# Altium PCB H-00488.PcbDoc (part 8 of 9)
Units mm, origin at the board's own origin, x right, y up, seen from the top; angles counter-clockwise.
Board outline 141.5 x 129 mm, 4 copper layers (Top Layer, Ground Plane, Power Plane, Bottom Layer), stack 1.536 mm thick; 527 components, 572 nets, 2185 pads, 1060 vias.
Unrouted connection lines stored in the file: 97.
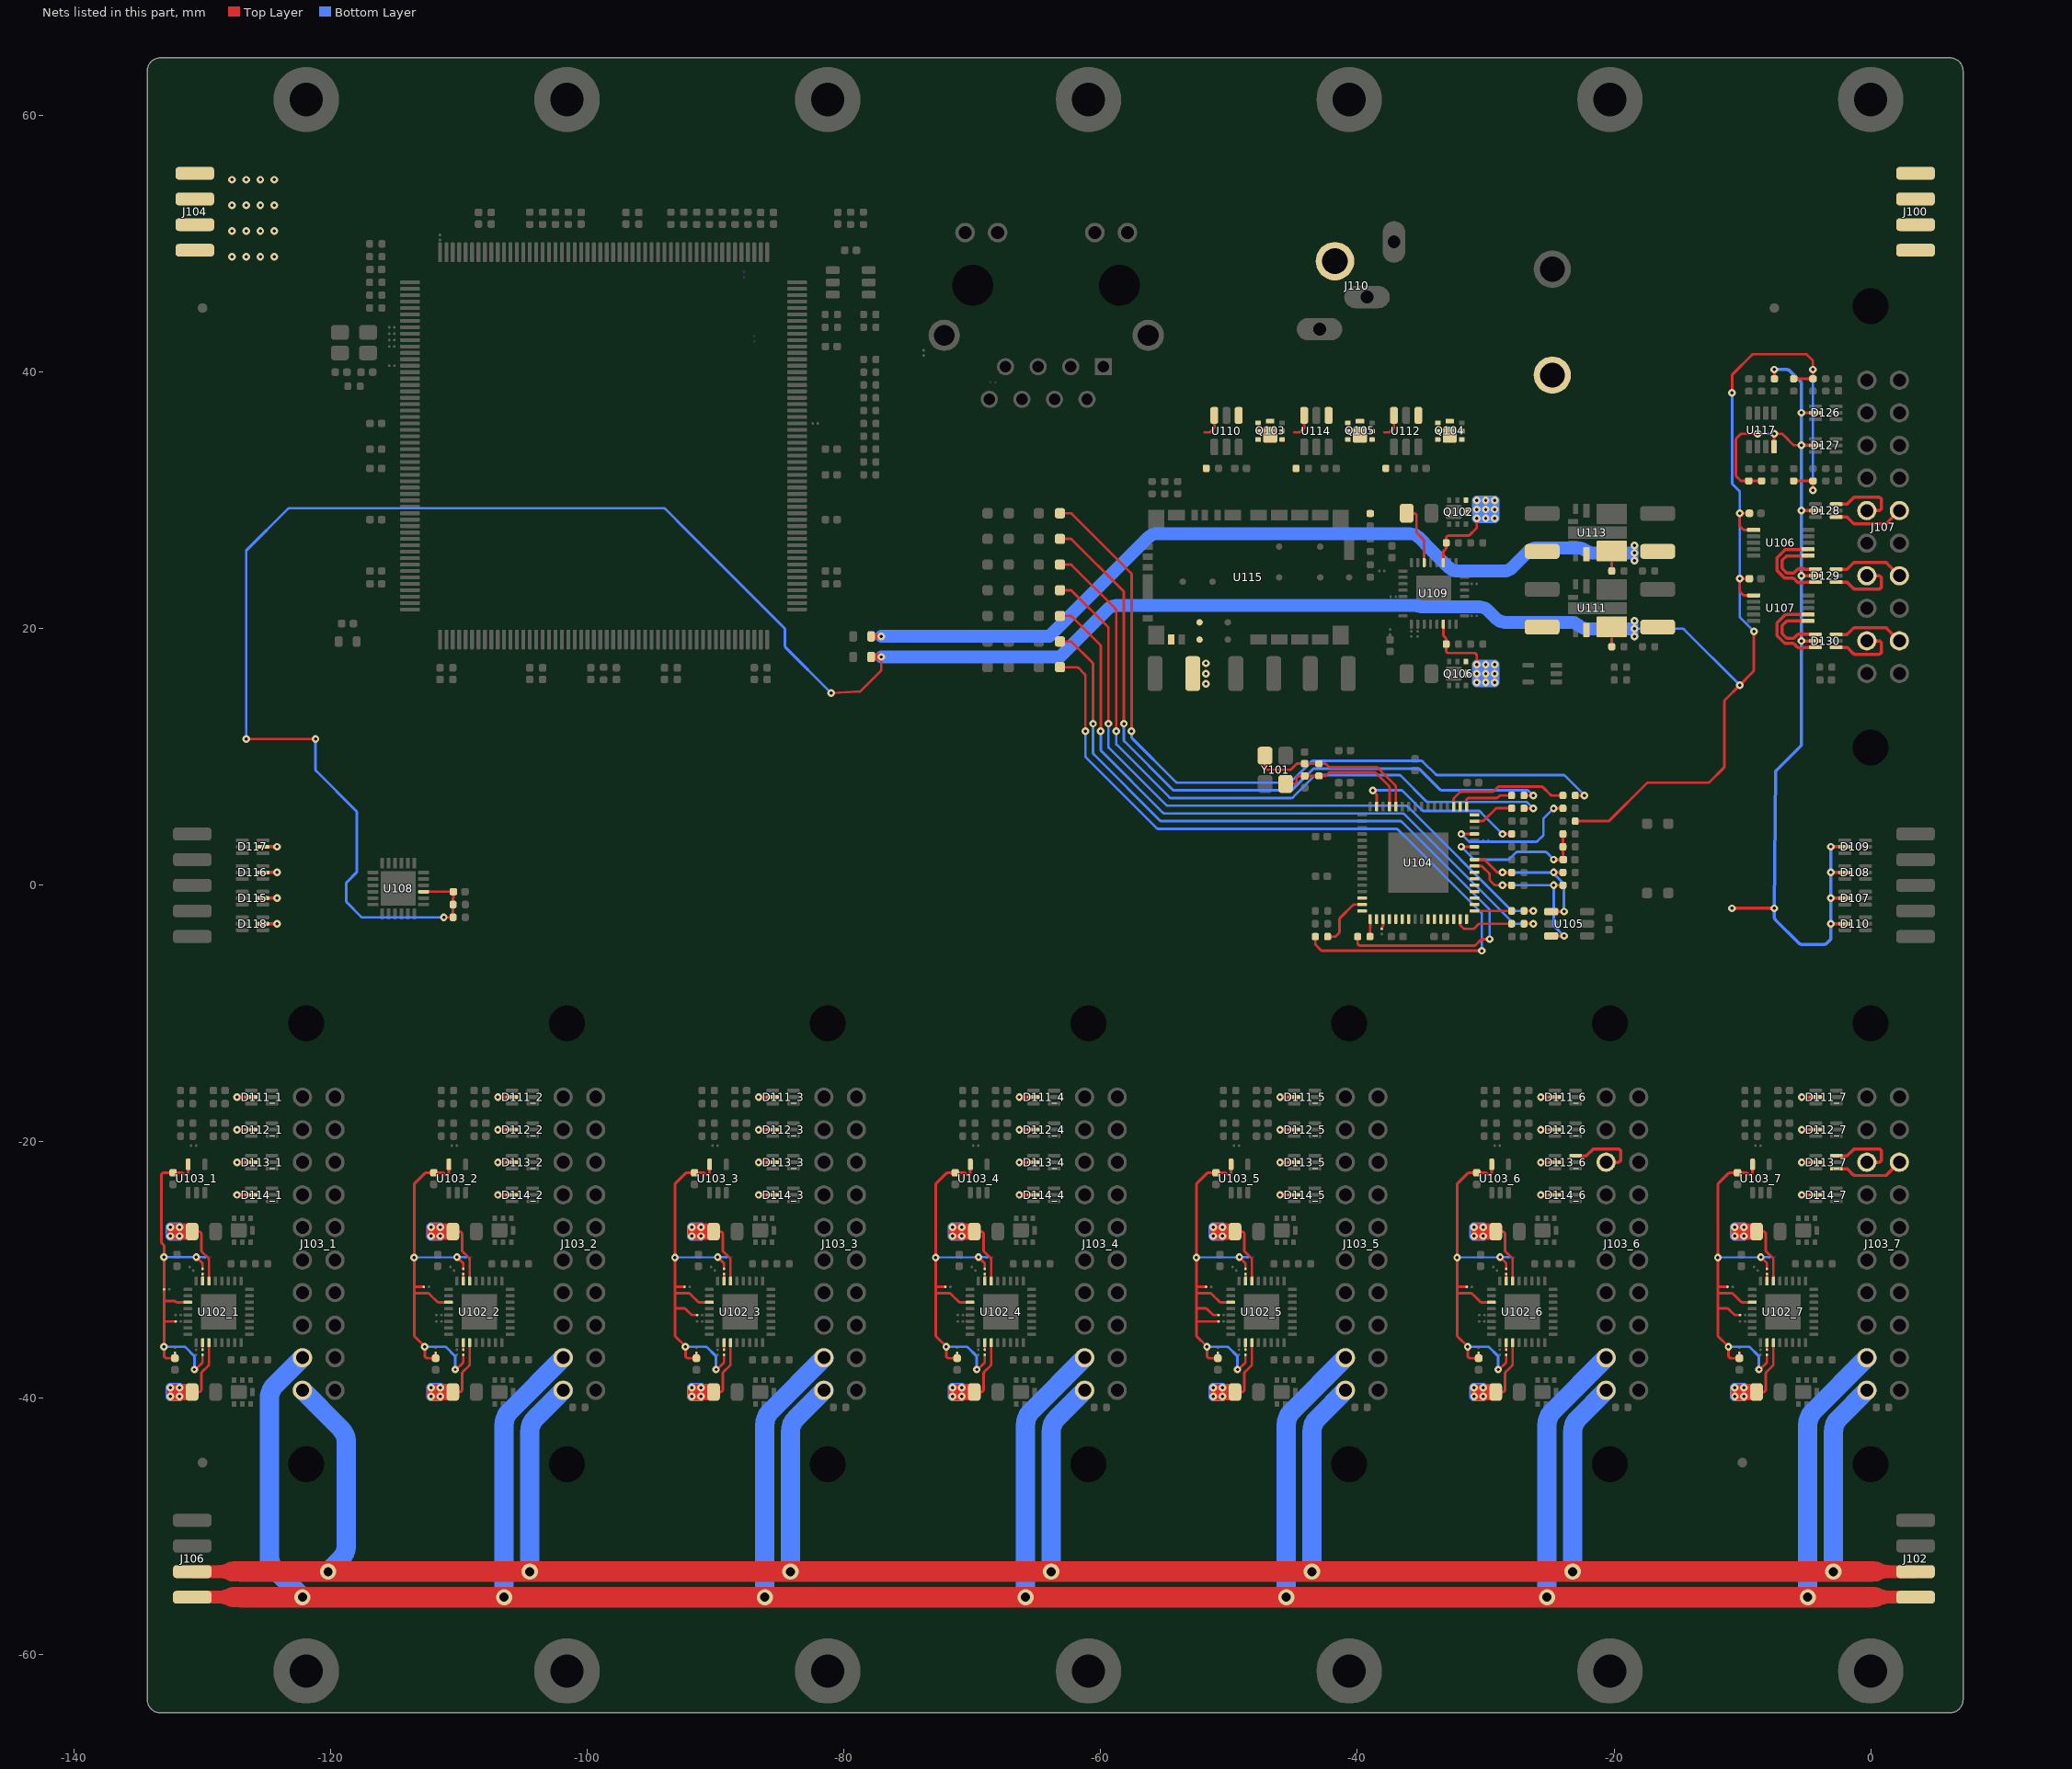
[diagram p10: the nets of this part, all layers, seen from the top]

## Via types
v1: diameter 0.6, hole 0.25, Top Layer to Bottom Layer, 934 vias
v2: diameter 0.7, hole 0.3, Top Layer to Bottom Layer, 112 vias
v3: diameter 1.27, hole 0.711, Top Layer to Bottom Layer, 14 vias

## Nets (pads, with @x,y where several pads share a name; then routed paths per layer and width w, separated by ;. In a path a pad name is that pad's centre, name@x,y a point inside that pad or via, vN(x,y) a via of type N, cw(c..) or ccw(c..) an arc to the next point about the centre after c; other vN are vias at no path point) (continued)
USB_D_6_P: D113_6.3 J103_6.B3 | length 5.7
  Top Layer w0.25: D113_6.3@-22.99,-21.09 -22.235,-21.09 ccw(c-22.235,-20.89) -22.093,-21.031 -21.683,-20.621 cw(c-21.506,-20.798) -21.506,-20.548 -19.721,-20.548 cw(c-19.721,-20.798) -19.471,-20.799 -19.471,-21.339 cw(c-19.721,-21.34) -19.721,-21.59 J103_6.B3@-20.62,-21.59
USB_D_7_N: D113_7.1 J103_7.A3 | length 5.5
  Top Layer w0.25: D113_7.1@-2.67,-22.09 -1.915,-22.09 cw(c-1.915,-22.29) -1.773,-22.149 -1.372,-22.55 ccw(c-1.195,-22.373) -1.195,-22.623 1.103,-22.623 ccw(c1.103,-22.373) 1.28,-22.55 J103_7.A3@2.24,-21.59
USB_D_7_P: D113_7.3 J103_7.B3 | length 5.7
  Top Layer w0.25: D113_7.3@-2.67,-21.09 -1.915,-21.09 ccw(c-1.915,-20.89) -1.773,-21.031 -1.363,-20.621 cw(c-1.186,-20.798) -1.186,-20.548 0.599,-20.548 cw(c0.599,-20.798) 0.849,-20.799 0.849,-21.339 cw(c0.599,-21.34) 0.599,-21.59 J103_7.B3@-0.3,-21.59
USB_HOST_1_N: D130.3 J107.A9 | length 5.5
  Top Layer w0.25: D130.3@-2.67,19.55 -1.915,19.55 ccw(c-1.915,19.75) -1.773,19.609 -1.372,20.01 cw(c-1.195,19.833) -1.195,20.083 1.103,20.083 cw(c1.103,19.833) 1.28,20.01 J107.A9@2.24,19.05
USB_HOST_1_P: D130.1 J107.B9 | length 5.7
  Top Layer w0.25: D130.1@-2.67,18.55 -1.915,18.55 cw(c-1.915,18.35) -1.773,18.491 -1.363,18.081 ccw(c-1.186,18.258) -1.186,18.008 0.599,18.008 ccw(c0.599,18.258) 0.849,18.259 0.849,18.799 ccw(c0.599,18.8) 0.599,19.05 J107.B9@-0.3,19.05
USB_HOST_1X_N: D130.4 U107.6 | length 5.7
  Top Layer w0.25: U107.6@-4.88,20.6 -6.447,20.6 ccw(c-6.447,20.35) -6.624,20.526 -6.827,20.324 ccw(c-6.65,20.147) -6.9,20.147 -6.9,19.724 ccw(c-6.65,19.724) -6.827,19.547 -6.603,19.323 ccw(c-6.426,19.5) -6.426,19.25 -6.086,19.25 ccw(c-6.086,19.5) -5.877,19.364 cw(c-5.395,19.05) -5.168,19.578 ccw(c-5.069,19.808) -5.068,19.558 D130.4@-4.252,19.558
USB_HOST_1X_P: D130.6 U107.7 | length 7.1
  Top Layer w0.25: U107.7@-4.88,21.1 -6.549,21.1 ccw(c-6.549,20.85) -6.726,21.027 -7.227,20.526 ccw(c-7.05,20.349) -7.3,20.349 -7.3,19.558 ccw(c-7.05,19.558) -7.227,19.382 -6.769,18.923 ccw(c-6.592,19.1) -6.592,18.85 -6.086,18.85 cw(c-6.086,18.6) -5.877,18.736 ccw(c-5.395,19.05) -5.172,18.52 ccw(c-5.367,18.986) -5.168,18.522 cw(c-5.069,18.292) -5.068,18.542 D130.6@-4.252,18.542
USB_HOST_2_N: D129.3 J107.A7 | length 5.5
  Top Layer w0.25: D129.3@-2.67,24.63 -1.915,24.63 ccw(c-1.915,24.83) -1.773,24.689 -1.372,25.09 cw(c-1.195,24.913) -1.195,25.163 1.103,25.163 cw(c1.103,24.913) 1.28,25.09 J107.A7@2.24,24.13
USB_HOST_2_P: D129.1 J107.B7 | length 5.7
  Top Layer w0.25: D129.1@-2.67,23.63 -1.915,23.63 cw(c-1.915,23.43) -1.773,23.571 -1.363,23.161 ccw(c-1.186,23.338) -1.186,23.088 0.599,23.088 ccw(c0.599,23.338) 0.849,23.339 0.849,23.879 ccw(c0.599,23.88) 0.599,24.13 J107.B7@-0.3,24.13
USB_HOST_2X_N: D129.4 U106.6 | length 5.7
  Top Layer w0.25: U106.6@-4.88,25.68 -6.447,25.68 ccw(c-6.447,25.43) -6.624,25.606 -6.827,25.404 ccw(c-6.65,25.227) -6.9,25.227 -6.9,24.804 ccw(c-6.65,24.804) -6.827,24.627 -6.603,24.403 ccw(c-6.426,24.58) -6.426,24.33 -6.086,24.33 ccw(c-6.086,24.58) -5.877,24.444 cw(c-5.395,24.13) -5.168,24.658 ccw(c-5.069,24.888) -5.068,24.638 D129.4@-4.252,24.638
USB_HOST_2X_P: D129.6 U106.7 | length 7.1
  Top Layer w0.25: U106.7@-4.88,26.18 -6.549,26.18 ccw(c-6.549,25.93) -6.726,26.107 -7.227,25.606 ccw(c-7.05,25.429) -7.3,25.429 -7.3,24.638 ccw(c-7.05,24.638) -7.227,24.462 -6.769,24.003 ccw(c-6.592,24.18) -6.592,23.93 -6.086,23.93 cw(c-6.086,23.68) -5.877,23.816 ccw(c-5.395,24.13) -5.172,23.6 ccw(c-5.367,24.066) -5.168,23.602 cw(c-5.069,23.372) -5.068,23.622 D129.6@-4.252,23.622
USB_HOST_3_N: D128.1 J107.A5 | length 5.5
  Top Layer w0.25: D128.1@-2.67,28.71 -1.915,28.71 cw(c-1.915,28.51) -1.773,28.651 -1.372,28.25 ccw(c-1.195,28.427) -1.195,28.177 1.103,28.177 ccw(c1.103,28.427) 1.28,28.25 J107.A5@2.24,29.21
USB_HOST_3_P: D128.3 J107.B5 | length 5.7
  Top Layer w0.25: D128.3@-2.67,29.71 -1.915,29.71 ccw(c-1.915,29.91) -1.773,29.769 -1.363,30.179 cw(c-1.186,30.002) -1.186,30.252 0.599,30.252 cw(c0.599,30.002) 0.849,30.001 0.849,29.461 cw(c0.599,29.46) 0.599,29.21 J107.B5@-0.3,29.21
USB_LED_A1: R147.2 U104.51 | length 9.8
  Top Layer w0.2: U104.51@-32.5,6.135 -32.5,6.695 cw(c-32.3,6.695) -32.441,6.836 -32.036,7.241 cw(c-31.895,7.1) -31.895,7.3 -29.483,7.3 ccw(c-29.483,7.5) -29.342,7.358 -29.059,7.641 cw(c-28.917,7.5) -28.917,7.7 -25.683,7.7 cw(c-25.683,7.5) -25.542,7.642 -24.958,7.058 ccw(c-24.817,7.2) -24.819,7 R147.2@-23.98,7
USB_LED_A2: R148.2 U104.49 | length 4.2
  Top Layer w0.2: U104.49@-31.5,6.135 -31.5,6.601 cw(c-31.3,6.6) -31.3,6.8 -29.183,6.8 ccw(c-29.183,7) -29.042,6.858 -28.958,6.942 cw(c-28.817,6.8) -28.817,7 -28.11,7 R148.2@-27.98,7
USB_LED_A3: R149.2 U104.47 | length 3.3
  Top Layer w0.2: U104.47@-30.865,5 -30.283,5 ccw(c-30.283,5.2) -30.141,5.059 -29.259,5.941 ; -29.258,5.942 cw(c-29.117,5.8) -29.117,6 R149.2@-28,6
USB_LED_A4: R152.2 U104.33 | length 2.9
  Top Layer w0.2: U104.33@-30.865,-2 -30.585,-2 R152.2@-27.98,-2
USB_LED_A5: R153.2 U104.31 | length 4.7
  Top Layer w0.2: U104.31@-32,-2.635 -32,-3.017 ccw(c-31.8,-3.017) -31.941,-3.159 -31.759,-3.341 ccw(c-31.617,-3.2) -31.617,-3.4 -31.013,-3.4 ccw(c-31.013,-3.2) -30.871,-3.342 -30.588,-3.059 cw(c-30.447,-3.2) -30.447,-3 R153.2@-27.98,-3
USB_LED_A6: R158.2 U104.17 | length 1.4
  Top Layer w0.2: R158.2@-39.02,-4 -39.02,-3.42 cw(c-38.82,-3.42) -39.017,-3.388 -39.003,-3.299 ccw(c-39.2,-3.266) -39,-3.267 -39,-2.915 U104.17@-39,-2.635
USB_LED_A7: R159.2 U104.15 | length 4.3
  Top Layer w0.2: R159.2@-42.32,-4 -41.783,-4 ccw(c-41.783,-3.8) -41.642,-3.942 -41.459,-3.759 ccw(c-41.6,-3.617) -41.4,-3.617 -41.4,-2.683 cw(c-41.2,-2.683) -41.341,-2.541 -40.358,-1.558 cw(c-40.217,-1.7) -40.218,-1.5 ; -40.217,-1.5 U104.15@-39.635,-1.5
USB_LED_R_A1: D119.C R147.1 | length 59.5
  Top Layer w0.2: D119.C@-63.175,29 -62.383,29 cw(c-62.383,28.8) -62.241,28.941 -57.66,24.36 cw(c-57.8,24.217) -57.6,24.217 v1(-57.6,12) ; R147.1@-23.02,7 v1(-22.3,7)
  Bottom Layer w0.2: v1(-57.6,12) -57.6,11.581 ccw(c-57.4,11.583) -57.543,11.443 -54.159,8.059 ccw(c-54.017,8.2) -54.017,8 -45.328,8 ccw(c-45.328,8.2) -45.187,8.058 -43.604,9.642 cw(c-43.463,9.5) -43.463,9.7 -35.04,9.7 cw(c-35.04,9.5) -34.898,9.641 -33.915,8.658 ccw(c-33.775,8.8) -33.776,8.6 -23.983,8.6 cw(c-23.983,8.4) -23.841,8.541 v1(-22.3,7)
USB_LED_R_A2: D120.C R148.1 | length 54
  Top Layer w0.2: D120.C@-63.175,27 -62.383,27 cw(c-62.383,26.8) -62.241,26.941 -58.261,22.961 -58.259,22.959 cw(c-58.4,22.817) -58.2,22.817 v1(-58.2,12.6) ; R148.1@-27.02,7 v1(-26.3,7)
  Bottom Layer w0.2: v1(-58.2,12.6) -58.2,11.334 ccw(c-58,11.334) -58.141,11.193 -54.408,7.46 ccw(c-54.267,7.601) -54.268,7.401 -45.208,7.4 ccw(c-45.208,7.6) -45.067,7.458 -43.484,9.042 cw(c-43.343,8.9) -43.343,9.1 -35.283,9.1 cw(c-35.283,8.9) -35.141,9.041 -33.561,7.461 ccw(c-33.421,7.603) -33.422,7.403 -26.786,7.403 cw(c-26.786,7.203) -26.645,7.345 v1(-26.3,7)
USB_LED_R_A3: D121.C R149.1 | length 52.9
  Top Layer w0.2: D121.C@-63,25 -62.383,25 cw(c-62.383,24.8) -62.24,24.94 -58.86,21.56 cw(c-59,21.417) -58.8,21.417 v1(-58.8,12) ; R149.1@-27.02,6 v1(-26.3,6)
  Bottom Layer w0.2: v1(-58.8,12) -58.8,11.086 ccw(c-58.6,11.086) -58.741,10.944 -54.656,6.859 ccw(c-54.515,7.001) -54.516,6.801 -45.153,6.8 ccw(c-45.153,7) -45.012,6.858 -43.329,8.542 cw(c-43.188,8.4) -43.188,8.6 -36.766,8.6 cw(c-36.766,8.4) -36.624,8.541 -34.641,6.558 ccw(c-34.501,6.7) -34.502,6.5 -26.883,6.5 cw(c-26.883,6.3) -26.742,6.442 v1(-26.3,6)
USB_LED_R_A4: D122.C R152.1 | length 53.4
  Top Layer w0.2: D122.C@-63.175,23 -62.383,23 cw(c-62.383,22.8) -62.24,22.94 -59.46,20.16 cw(c-59.6,20.017) -59.4,20.017 v1(-59.4,12.6) ; R152.1@-27.011,-2 v1(-26.3,-2)
  Bottom Layer w0.2: v1(-59.4,12.6) -59.4,10.837 ccw(c-59.2,10.837) -59.341,10.696 -54.904,6.259 ccw(c-54.763,6.4) -54.763,6.2 -39.1,6.2 -36.232,6.2 cw(c-36.232,6) -36.091,6.142 -28.007,-1.942 ccw(c-27.866,-1.8) -27.867,-2 v1(-26.3,-2)
USB_LED_R_A5: D123.C R153.1 | length 52.2
  Top Layer w0.2: D123.C@-63.1,21 -62.383,21 cw(c-62.383,20.8) -62.241,20.941 -60.061,18.761 -60.059,18.759 cw(c-60.2,18.617) -60,18.617 v1(-60,12) ; R153.1@-27.011,-3 v1(-26.3,-3)
  Bottom Layer w0.2: v1(-60,12) -60,10.589 ccw(c-59.8,10.589) -59.941,10.447 -55.153,5.659 ccw(c-55.011,5.8) -55.011,5.6 -39.1,5.6 -36.477,5.6 cw(c-36.477,5.4) -36.337,5.542 -34.844,4.049 -30.183,-0.612 -27.853,-2.942 ccw(c-27.712,-2.8) -27.713,-3 v1(-26.3,-3)
USB_LED_R_A6: D124.C R158.1 | length 59.6
  Top Layer w0.2: D124.C@-63.2,19 -62.383,19 cw(c-62.383,18.8) -62.241,18.941 -60.659,17.359 cw(c-60.8,17.217) -60.6,17.218 ; v1(-60.6,12.6) -60.6,17.217 ; R158.1@-39.98,-4 -39.98,-4.5 ccw(c-39.78,-4.5) -39.78,-4.7 -30.9,-4.7 ccw(c-30.9,-4.5) -30.759,-4.642 -30.376,-4.258 cw(c-30.234,-4.4) -30.234,-4.2 v1(-29.7,-4.2)
  Bottom Layer w0.2: v1(-60.6,12.6) -60.6,10.34 ccw(c-60.4,10.34) -60.541,10.199 -55.401,5.059 ccw(c-55.26,5.2) -55.26,5 -39.1,5 -36.677,5 cw(c-36.677,4.8) -36.535,4.941 -36.418,4.824 -29.759,-1.835 cw(c-29.9,-1.977) -29.7,-1.977 v1(-29.7,-4.2)
USB_LED_R_A7: D125.C R159.1 | length 61.2
  Top Layer w0.2: D125.C@-63.175,17 -61.904,17 cw(c-61.904,16.75) -61.726,16.926 -61.273,16.473 cw(c-61.45,16.296) -61.2,16.296 v1(-61.2,12) ; R159.1@-43.28,-4 -43.28,-4.539 ccw(c-43.08,-4.537) -43.222,-4.678 -42.858,-5.042 ccw(c-42.717,-4.9) -42.719,-5.1 v1(-30.3,-5.1)
  Bottom Layer w0.2: v1(-61.2,12) -61.2,10.092 ccw(c-61,10.092) -61.141,9.95 -55.65,4.459 ccw(c-55.508,4.6) -55.508,4.4 -39.1,4.4 -36.977,4.4 cw(c-36.977,4.2) -36.837,4.342 -35.697,3.202 -30.359,-2.135 cw(c-30.5,-2.277) -30.3,-2.277 v1(-30.3,-5.1)
USB_LEDB1: U104.50
USB_LEDB2: U104.48
USB_LEDB3: U104.34
USB_LEDB4: U104.32
USB_LEDB5: U104.18
USB_LEDB6: U104.16
USB_LEDB7: U104.14
USB_OSC1: U104.28
USB_OSC2: U104.27
USB_OSC3: U104.22
USB_OSC4: U104.21
USB_OSC5: U104.35
USB_OSC6: U104.38
USB_OSC7: U104.37
USB_PWR1: U104.29
USB_PWR2: U104.26
USB_PWR3: U104.23
USB_PWR4: U104.20
USB_PWR5: U104.30
USB_PWR6: U104.39
USB_PWR7: U104.36
USB_RBIAS: R166.2 U104.63 | length 13.6
  Top Layer w0.2: v1(-38.8,7.4) -38.601,7.201 -38.558,7.158 cw(c-38.7,7.017) -38.5,7.017 U104.63@-38.5,6.135 ; v1(-28.7,4) R166.2@-27.98,4
  Bottom Layer w0.2: v1(-38.8,7.4) -36.595,7.4 cw(c-36.595,7.2) -36.453,7.341 -34.97,5.858 ccw(c-34.829,6) -34.831,5.8 -30.583,5.8 cw(c-30.583,5.6) -30.442,5.742 -30.135,5.435 v1(-28.7,4) v1(-28.7,4)
USB_RESET: C154.1 R161.2 R164.2 U104.43 | length 11.9
  Top Layer w0.2: v1(-31.9,3) U104.43@-30.865,3 ; v1(-24.7,2) C154.1@-23.955,2 -23.955,2.383 ccw(c-24.155,2.383) -23.959,2.421 -23.976,2.514 cw(c-23.78,2.552) -23.98,2.551 -23.98,2.85 R164.2@-23.98,3 R161.2@-23.98,4
  Bottom Layer w0.2: v1(-31.9,3) -30.958,2.058 ccw(c-30.817,2.2) -30.819,2 -28.283,2 ccw(c-28.283,2.2) -28.142,2.058 -27.659,2.541 cw(c-27.517,2.4) -27.517,2.6 -25.364,2.6 cw(c-25.364,2.4) -25.22,2.539 v1(-24.7,2)
USB_SCL: R156.2 R162.2 U104.41 U105.1 | length 12.4
  Top Layer w0.2: U104.41@-30.865,2 -30.183,2 cw(c-30.183,1.8) -30.041,1.941 -29.771,1.671 -29.158,1.058 ccw(c-29.017,1.2) -29.019,1 v1(-28.7,1) R156.2@-27.989,1 ; U105.1@-24.9,-2.05 -23.95,-2.05 v1@-23.9,-2.1 ; v1(-24.7,1) R162.2@-24,1
  Bottom Layer w0.2: v1(-28.7,1) v1(-24.7,1) -24.7,0.983 ccw(c-24.5,0.983) -24.642,0.842 -23.958,0.158 cw(c-24.1,0.017) -23.9,0.018 v1(-23.9,-2.05)
USB_SDA: R157.2 R163.1 U104.40 U105.3 | length 13.7
  Top Layer w0.2: U104.40@-30.865,1.5 -30.383,1.5 cw(c-30.383,1.3) -30.242,1.442 -30.164,1.364 -29.759,0.959 cw(c-29.9,0.817) -29.7,0.817 -29.7,0.481 ccw(c-29.5,0.483) -29.642,0.342 -29.358,0.057 ccw(c-29.217,0.2) -29.219,0 v1(-28.7,0) -28.11,0 R157.2@-27.98,0 ; U105.3@-24.9,-3.95 v1@-23.95,-3.95 ; v1(-24.7,0) R163.1@-23.98,0
  Bottom Layer w0.2: v1(-28.7,0) v1(-24.7,0) -24.7,-3.067 ccw(c-24.5,-3.067) -24.642,-3.208 v1(-23.9,-3.95)
USB_SUSP: R160.2 U104.45 | length 11
  Top Layer w0.2: v1(-31.9,4) U104.45@-30.865,4 ; v1(-24.7,6) R160.2@-23.989,6
  Bottom Layer w0.2: v1(-31.9,4) -31.3,3.4 -26.083,3.4 ccw(c-26.083,3.6) -25.942,3.458 -25.559,3.841 ccw(c-25.7,3.983) -25.5,3.983 -25.5,5.117 cw(c-25.3,5.117) -25.441,5.259 v1(-24.7,6)
USB_TEST: NT128.1 U104.19 | length 0.8
  Top Layer w0.2: NT128.1@-38.1,-3.4 -38.1,-3.368 cw(c-37.9,-3.368) -38.057,-3.245 -38.043,-3.226 ccw(c-38.2,-3.103) -38,-3.103 U104.19@-38,-2.6
USB_XTAL1: C155.1 R165.1 U104.61 Y101.3 | length 10.7
  Top Layer w0.2: Y101.3@-45.6,7.9 -44.941,7.9 ccw(c-44.941,8.1) -44.741,8.1 -44.741,8.32 cw(c-44.541,8.32) -44.541,8.52 C155.1@-44.103,8.52 R165.1@-43,8.52 -42.563,8.52 ccw(c-42.563,8.72) -42.422,8.578 -42.259,8.741 cw(c-42.117,8.6) -42.117,8.8 -38.683,8.8 cw(c-38.683,8.6) -38.541,8.741 -37.559,7.759 cw(c-37.7,7.617) -37.5,7.618 ; U104.61@-37.5,6.135 -37.5,7.617
USB_XTAL2: C156.1 R165.2 U104.60 Y101.1 | length 13.6
  Top Layer w0.2: Y101.1@-47.2,10.1 -47.2,9.647 -47.2,9.283 ccw(c-47,9.283) -47.142,9.142 -47.058,9.058 ccw(c-46.917,9.2) -46.917,9 -45.283,9 ccw(c-45.283,9.2) -45.142,9.058 -44.778,9.422 cw(c-44.637,9.28) -44.637,9.48 C156.1@-44.11,9.48 R165.2@-43,9.48 -42.563,9.48 cw(c-42.563,9.28) -42.421,9.421 -42.259,9.259 ccw(c-42.117,9.4) -42.117,9.2 -38.533,9.2 cw(c-38.533,9) -38.391,9.141 -37.059,7.809 cw(c-37.2,7.667) -37,7.667 U104.60@-37,6.135
UV1_1: NT118_1.2 U102_1.31 | length 0.5
  Top Layer w0.2: U102_1.31@-130,-30.85 NT118_1.2@-130,-30.3
UV1_2: NT118_2.2 U102_2.31 | length 0.5
  Top Layer w0.2: U102_2.31@-109.68,-30.85 NT118_2.2@-109.68,-30.3
UV1_3: NT118_3.2 U102_3.31 | length 0.5
  Top Layer w0.2: U102_3.31@-89.36,-30.85 NT118_3.2@-89.36,-30.3
UV1_4: NT118_4.2 U102_4.31 | length 0.5
  Top Layer w0.2: U102_4.31@-69.04,-30.85 NT118_4.2@-69.04,-30.3
UV1_5: NT118_5.2 U102_5.31 | length 0.5
  Top Layer w0.2: U102_5.31@-48.72,-30.85 NT118_5.2@-48.72,-30.3
UV1_6: NT118_6.2 U102_6.31 | length 0.5
  Top Layer w0.2: U102_6.31@-28.4,-30.85 NT118_6.2@-28.4,-30.3
UV1_7: NT118_7.2 U102_7.31 | length 0.5
  Top Layer w0.2: U102_7.31@-8.08,-30.85 NT118_7.2@-8.08,-30.3
UV2_1: NT120_1.2 U102_1.10 | length 0.6
  Top Layer w0.2: NT120_1.2@-130,-36.2 U102_1.10@-130,-35.654 U102_1.10@-129.996,-35.65
UV2_2: NT120_2.2 U102_2.10 | length 0.6
  Top Layer w0.2: NT120_2.2@-109.68,-36.2 U102_2.10@-109.68,-35.654 U102_2.10@-109.676,-35.65
UV2_3: NT120_3.2 U102_3.10 | length 0.6
  Top Layer w0.2: NT120_3.2@-89.36,-36.2 U102_3.10@-89.36,-35.654 U102_3.10@-89.356,-35.65
UV2_4: NT120_4.2 U102_4.10 | length 0.6
  Top Layer w0.2: NT120_4.2@-69.04,-36.2 U102_4.10@-69.04,-35.654 U102_4.10@-69.036,-35.65
UV2_5: NT120_5.2 U102_5.10 | length 0.6
  Top Layer w0.2: NT120_5.2@-48.72,-36.2 U102_5.10@-48.72,-35.654 U102_5.10@-48.716,-35.65
UV2_6: NT120_6.2 U102_6.10 | length 0.6
  Top Layer w0.2: NT120_6.2@-28.4,-36.2 U102_6.10@-28.4,-35.654 U102_6.10@-28.396,-35.65
UV2_7: NT120_7.2 U102_7.10 | length 0.6
  Top Layer w0.2: NT120_7.2@-8.08,-36.2 U102_7.10@-8.08,-35.654 U102_7.10@-8.076,-35.65
V_2P1: C168.1 L101.1 R186.1 U113.3 | length 66.2
  Top Layer w0.2: R186.1@-20.18,24.5 -20.18,25.137
  Top Layer w0.4: L101.1@-77.9,19.4 v1(-77.1,19.4)
  Bottom Layer w0.6: v1(-18.4,25.3) v1(-18.4,25.9) v1(-18.4,26.5)
  Bottom Layer w1: v1(-77.1,19.4) -64,19.4 -56.293,27.107 cw(c-55.586,26.4) -55.586,27.4 -35.914,27.4 cw(c-35.914,26.4) -35.206,27.106 -34.249,26.149 -33.148,25.048 -32.891,24.791 ccw(c-32.186,25.5) -32.189,24.5 -28.614,24.5 ccw(c-28.614,25.5) -27.908,24.792 -26.692,26.008 cw(c-25.986,25.3) -25.986,26.3 -22.816,26.3 cw(c-22.816,25.3) -22.316,26.166 -22.088,26.034 ccw(c-21.588,26.9) -21.588,25.9 -18.7,25.9
V_3P3: C159.1 C160.1 C161.1 C166.1 L100.1 R146.1 R167.2 R168.2 R169.2 R170.2 R173.2 R174.2 R182.1 U106.1 U107.1 U108.21 U111.3 | length 253
  Top Layer w0.2: v1(-126.6,11.4) v1@-121.3,11.4 ; U108.21@-112.775,-0.5 C161.1@-110.455,-0.5 -110.455,-0.904 cw(c-110.655,-0.903) -110.458,-0.939 -110.477,-1.043 ccw(c-110.28,-1.078) -110.48,-1.077 R173.2@-110.48,-1.5 R174.2@-110.48,-2.5 v1(-111.2,-2.5) ; v1(-81,14.98) -78.728,15.114 -77.158,16.684 ccw(c-77.3,16.825) -77.1,16.825 v1(-77.1,17.8) ; R146.1@-23.02,5 -20.483,5 ccw(c-20.483,5.2) -20.342,5.058 -17.459,7.941 ; R182.1@-20.18,18.6 -20.18,19.237 ; -17.458,7.942 cw(c-17.317,7.8) -17.317,8 -12.683,8 ccw(c-12.683,8.2) -12.542,8.058 -11.458,9.142 ccw(c-11.6,9.283) -11.4,9.283 -11.4,14.317 cw(c-11.2,14.317) -11.342,14.458 v1(-10.2,15.6) -9.158,16.642 ccw(c-9.3,16.783) -9.1,16.783 v1(-9.1,19.8) ; v1(-10.8,38.4) -10.8,39.718 cw(c-10.6,39.717) -10.742,39.858 -9.258,41.342 cw(c-9.117,41.2) -9.118,41.4 -5.083,41.4 cw(c-5.083,41.2) -4.942,41.342 -4.558,40.958 cw(c-4.7,40.817) -4.5,40.818 v1(-4.5,40.2) -4.5,39.5 -4.52,39.48 R167.2@-6,39.48 ; v1(-10.2,23.9) -10.2,22.983 ccw(c-10,22.983) -10.141,22.841 -9.958,22.658 ccw(c-9.817,22.8) -9.818,22.6 U107.1@-9.12,22.6 ; v1(-10.2,23.9) C159.1@-9.455,23.9 ; v1(-10.2,29) -10.2,28.083 ccw(c-10,28.083) -10.141,27.941 -9.958,27.758 ccw(c-9.817,27.9) -9.818,27.7 U106.1@-9.12,27.7 ; v1(-10.2,29) C160.1@-9.455,29 ; R168.2@-6,31.52 R170.2@-4.5,31.52 v1(-4.5,30.8)
  Top Layer w0.6: L100.1@-77.9,17.8 v1(-77.1,17.8)
  Bottom Layer w0.2: v1(-126.6,11.4) -126.6,26.1 -123.359,29.341 cw(c-123.217,29.2) -123.217,29.4 -94.083,29.4 cw(c-94.083,29.2) -93.941,29.341 -93.902,29.302 -92.263,27.663 -84.676,20.076 cw(c-84.817,19.934) -84.617,19.934 -84.617,18.68 ccw(c-84.417,18.68) -84.559,18.538 v1(-81,14.98) ; v1(-121.2,11.4) -121.2,9.042 ccw(c-121,9.043) -121.141,8.902 -118.028,5.788 cw(c-118.169,5.646) -117.969,5.646 -117.969,1.114 cw(c-118.169,1.114) -118.028,0.972 -118.741,0.259 ccw(c-118.6,0.117) -118.8,0.117 -118.8,-1.217 ccw(c-118.6,-1.217) -118.742,-1.358 -117.659,-2.441 ccw(c-117.517,-2.3) -117.517,-2.5 v1(-111.2,-2.5) ; v1@-18.3,20 -14.683,20 cw(c-14.683,19.8) -14.541,19.941 v1@-10.201,15.601 ; v1(-10.8,38.4) -10.8,31.381 ccw(c-10.6,31.383) -10.742,31.242 -10.259,30.759 cw(c-10.4,30.617) -10.2,30.617 v1@-10.2,29.101 ; v1@-10.2,23.997 v1(-10.2,23.9) -10.2,20.983 ccw(c-10,20.983) -10.141,20.841 v1(-9.1,19.8) ; v1@-10.2,24 v1(-10.2,29) v1@-10.2,29.1 ; v1(-4.5,30.8) v1(-4.5,40.2)
  Bottom Layer w0.6: v1(-18.4,19.4) v1(-18.4,20) v1(-18.4,20.6)
  Bottom Layer w1: v1(-77.1,17.8) -63.2,17.8 -59.493,21.507 cw(c-58.786,20.8) -58.786,21.8 -35.483,21.8 cw(c-35.485,20.8) -35.174,21.75 -35.173,21.75 ccw(c-34.861,22.7) -34.863,21.7 -30.514,21.7 cw(c-30.514,20.7) -29.809,21.409 -29.191,20.791 ccw(c-28.486,21.5) -28.488,20.5 -23.414,20.5 cw(c-23.414,19.5) -22.798,20.287 -22.702,20.213 ccw(c-22.086,21) -22.086,20 -18.735,20
V_5P0: D107.5 D108.5 D109.5 D110.5 D111_1.5 D111_2.5 D111_3.5 D111_4.5 D111_5.5 D111_6.5 D111_7.5 D112_1.5 D112_2.5 D112_3.5 D112_4.5 D112_5.5 D112_6.5 D112_7.5 D113_1.5 D113_2.5 D113_3.5 D113_4.5 D113_5.5 D113_6.5 D113_7.5 D114_1.5 D114_2.5 D114_3.5 D114_4.5 D114_5.5 D114_6.5 D114_7.5 D115.5 D116.5 D117.5 D118.5 D126.5 D127.5 D128.5 D129.5 D130.5 Q106.4 Q106.8 R139_1.2 R139_2.2 R139_3.2 R139_4.2 R139_5.2 R139_6.2 R139_7.2 R189.1 R195.2 R198.2 R199.2 U102_1.30 U102_2.30 U102_3.30 U102_4.30 U102_5.30 U102_6.30 U102_7.30 U109.14 U117.8 | length 203.6
  Top Layer w0.2: R139_1.2@-130.815,-27 -130.294,-27 cw(c-130.294,-27.2) -130.094,-27.2 -130.094,-28.424 ; -130.1,-28.417 ccw(c-129.9,-28.417) -130.041,-28.559 -129.559,-29.041 cw(c-129.7,-29.183) -129.5,-29.183 U102_1.30@-129.5,-30.85 ; R139_2.2@-110.495,-27 -109.974,-27 cw(c-109.974,-27.2) -109.774,-27.2 -109.774,-28.424 ; -109.78,-28.417 ccw(c-109.58,-28.417) -109.721,-28.559 -109.239,-29.041 cw(c-109.38,-29.183) -109.18,-29.183 U102_2.30@-109.18,-30.85 ; R139_3.2@-90.175,-27 -89.654,-27 cw(c-89.654,-27.2) -89.454,-27.2 -89.454,-28.424 ; -89.46,-28.417 ccw(c-89.26,-28.417) -89.401,-28.559 -88.919,-29.041 cw(c-89.06,-29.183) -88.86,-29.183 U102_3.30@-88.86,-30.85 ; R139_4.2@-69.855,-27 -69.334,-27 cw(c-69.334,-27.2) -69.134,-27.2 -69.134,-28.424 ; -69.14,-28.417 ccw(c-68.94,-28.417) -69.081,-28.559 -68.599,-29.041 cw(c-68.74,-29.183) -68.54,-29.183 U102_4.30@-68.54,-30.85 ; R139_5.2@-49.535,-27 -49.014,-27 cw(c-49.014,-27.2) -48.814,-27.2 -48.814,-28.424 ; -48.82,-28.417 ccw(c-48.62,-28.417) -48.761,-28.559 -48.279,-29.041 cw(c-48.42,-29.183) -48.22,-29.183 U102_5.30@-48.22,-30.85 ; U109.14@-33.3,20.35 -33.3,19.545 ccw(c-33.1,19.545) -33.242,19.403 -33.14,19.301 cw(c-33.28,19.159) -33.08,19.159 R189.1@-33.08,18.8 -33.08,18.3 ccw(c-32.88,18.3) -32.88,18.1 -30.9,18.1 cw(c-30.9,17.9) -30.7,17.9 v1(-30.7,17.2) ; R139_6.2@-29.215,-27 -28.694,-27 cw(c-28.694,-27.2) -28.494,-27.2 -28.494,-28.424 ; -28.5,-28.417 ccw(c-28.3,-28.417) -28.441,-28.559 -27.959,-29.041 cw(c-28.1,-29.183) -27.9,-29.183 U102_6.30@-27.9,-30.85 ; -10.427,31.827 -10.192,31.592 ccw(c-10.016,31.77) -10.018,31.52 R198.2@-9.5,31.52 R199.2@-8.5,31.52 ; -10.427,31.827 cw(c-10.25,32.004) -10.5,32.004 -10.5,34.698 cw(c-10.25,34.696) -10.428,34.872 -10.173,35.127 cw(c-9.996,34.95) -9.996,35.2 v1(-8.8,35.2) ; R139_7.2@-8.895,-27 -8.374,-27 cw(c-8.374,-27.2) -8.174,-27.2 -8.174,-28.424 ; -8.18,-28.417 ccw(c-7.98,-28.417) -8.121,-28.559 -7.639,-29.041 cw(c-7.78,-29.183) -7.58,-29.183 U102_7.30@-7.58,-30.85 ; U117.8@-7.525,34.2 -7.525,35.175 v1@-7.5,35.2 ; v1(-7.525,35.2) v1@-7.5,35.2 ; R195.2@-7.5,39.48 v1(-7.5,40.2) ; v1(-5.405,36.83) D126.5@-4.305,36.83 ; v1@-5.4,34.3 -5.405,34.295 -5.913,34.295 cw(c-5.912,34.495) -6.053,34.353 -6.693,34.993 -6.842,35.142 ccw(c-6.983,35) -6.983,35.2 v1@-7.5,35.2